# Altium PCB Luchador Pcb.PcbDoc (part 3 of 4) (continued)
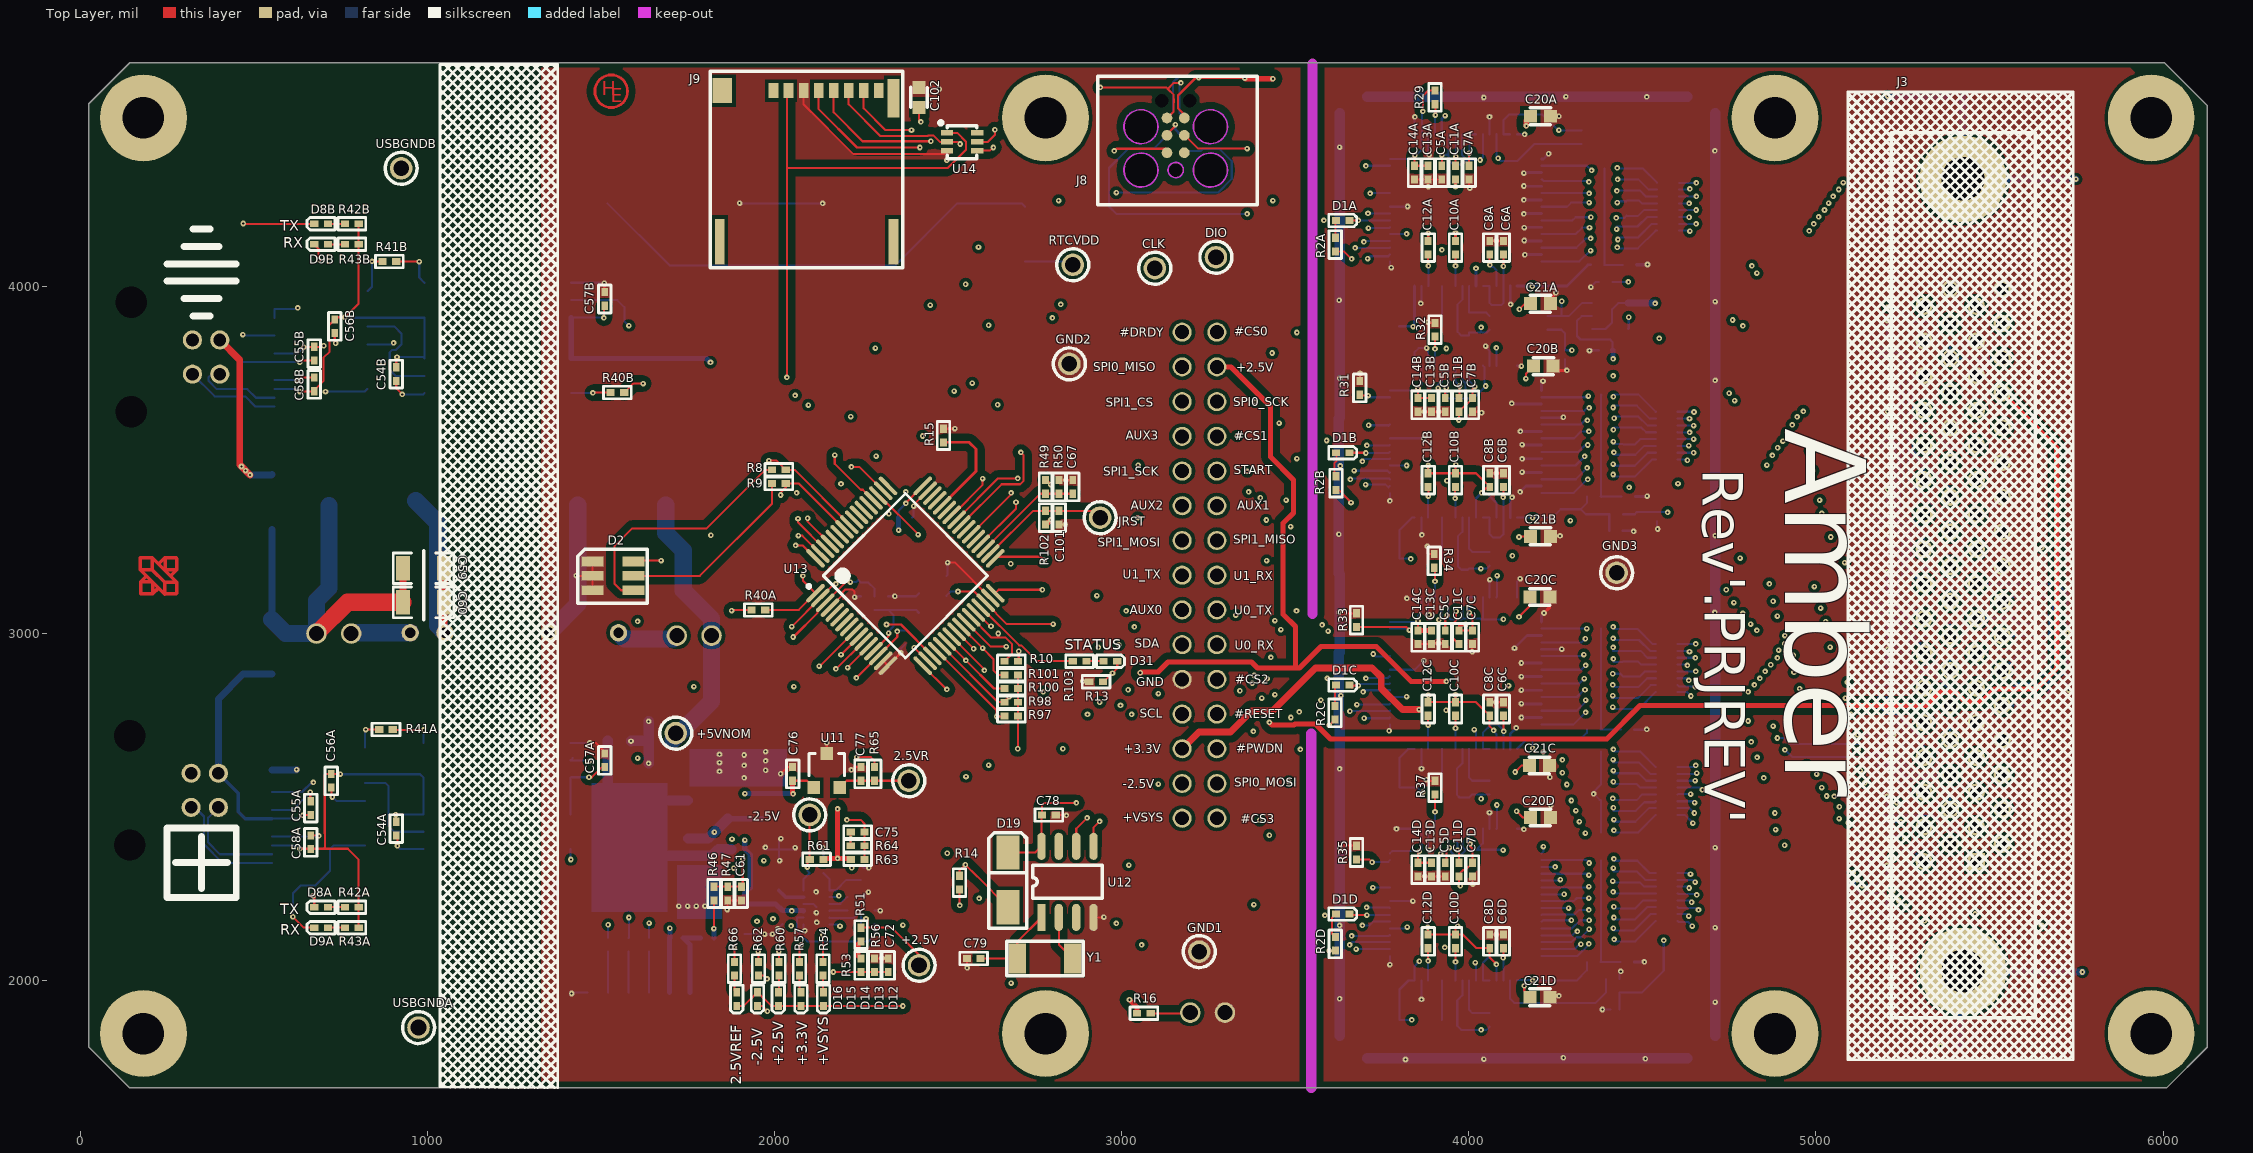
[diagram p0: Top Layer view]
## Nets (pads, with @x,y where several pads share a name; then routed paths per layer and width w, separated by ;. In a path a pad name is that pad's centre, name@x,y a point inside that pad or via, vN(x,y) a via of type N, cw(c..) or ccw(c..) an arc to the next point about the centre after c; other vN are vias at no path point) (continued)
  Bottom Layer w10: R12A.1@4483.37,4062 4514,4062 v1(4515,4063)
  Bottom Layer w30: v1(1587,2690) 1588,2691 C18.2@1638.06,2691 ; v1(1638,2626) 1638.06,2626.06 C18.2@1638.06,2691 ; v1(1638,2747) 1638.06,2746.94 C18.2@1638.06,2691 ; RFS1.M@3628.04,1841.3 v1(3628.04,1948) RFS1.M@3628.04,2046.3 RFS1.M@3628.04,2046.3 v1(3628,2159) RFS1.M@3628.04,2271.3 RFS1.M@3628.04,2271.3 v1(3628.04,2382) RFS1.M@3628.04,2496.3 RFS1.M@3628.04,2721.3 3628.04,2761.95 3626,2763.99 3626,2944.26 RFS1.M@3628.04,2946.3 RFS1.M@3628.04,3171.3 3626,3173.34 v1(3626,3286) 3626,3394.26 RFS1.M@3628.04,3396.3 3626,3398.34 3626,3619.26 RFS1.M@3628.04,3621.3 v1(3628.04,3735) RFS1.M@3628.04,3846.3 RFS1.M@3628.04,4071.3 RFS1.M@3628.04,4296.3 v1(3628.04,4401) RFS1.M@3628.04,4498.3 ; RFS1.M@3708.04,1776.3 RFS1.M@3930.04,1776.3 RFS1.M@4158.04,1776.3 RFS1.M@4387.04,1776.3 RFS1.M@4630.04,1776.3 ; RFS1.M@3708.04,4546.3 RFS1.M@3929.04,4546.3 RFS1.M@4158.04,4546.3 v1(4280,4546.3) RFS1.M@4387.04,4546.3 RFS1.M@4630.04,4546.3 ; RFS1.M@4710.04,1841.3 RFS1.M@4710.04,2046.3 v1(4710.04,2153) RFS1.M@4710.04,2271.3 RFS1.M@4710.04,2496.3 RFS1.M@4710.04,2721.3 RFS1.M@4710.04,2946.3 RFS1.M@4710.04,3171.3 v1(4710.04,3282) RFS1.M@4710.04,3396.3 RFS1.M@4710.04,3621.3 v1(4710.04,3729) RFS1.M@4710.04,3846.3 v1(4710.04,3956) RFS1.M@4710.04,4071.3 RFS1.M@4710.04,4296.3 RFS1.M@4710.04,4498.3
  Bottom Layer w50: PS1.5@1351,3002 1434,3085 C16.2@1434,3370
  other v1: 3818,1773 4044,1774 4509,1775 4273,1778 4710,1938 2122,2168 2121,2196 1725,2215 1750,2215 1775,2215 1800,2215 2120,2256 4710,2383 1913,2584 1842,2603 1975,2606 3628,2610 1913,2620 1842,2628 1975,2633 1913,2650 1842,2652 1975,2660 3632,2821 4709,3061 3630,3483 3627,3960 4709,4390 4044,4544 4513,4546
I2C.SCL: J3.33 J7.24 R97.1 U12.6 U13.20 | length 5067.8
  Top Layer w6: U13.20@2469.23,2949.24 2640,2778.47 v1(2640,2761) 2652.63,2761 2658.63,2767 R97.1@2662.8,2762.83 ; U12.6@2869.49,2387.13 2869.49,2437.49 v1(2901,2469)
  SL1(H) w6: v1(2640,2761) 2896,2761 v1(2902,2767) 2966,2767 2966.95,2767.95 J7.24@3174.61,2767.95 ; v1(3037,3019) 3039.55,3016.45 3294.7,3016.45 3351.15,2960 3476.06,2960 3482.17,2953.89 3680.8,2953.89 3697.91,2971 3858.94,2971 3881.94,2994 4264.97,2994 4339.97,3069 4429,3069 4471,3027 v1(4812,3027) ; v1(4816,4059) 4817,4060 5259,4060 5376.24,3942.76 J3.33@5462.01,3942.76
  SL2(V) w6: v1(2901,2469) 2901,2766 v1(2902,2767) ; v1(3029,2767) 3037,2775 v1(3037,3019) ; v1(4812,3027) 4813,3028 4813,4056 v1(4816,4059)
I2C.SDA: J3.67 J7.20 R98.1 U12.5 U13.21 | length 4728.2
  Top Layer w6: U13.21@2483.15,2963.15 2644.1,2802.2 R98.1@2662.8,2802.2 2662.8,2804.17 v1(2676.35,2817.73) ; U12.5@2919.49,2387.13 2919.49,2441.49 v1(2937,2459)
  SL1(H) w6: v1(2676.35,2817.73) 2682.48,2823.86 2707.14,2823.86 2729,2802 v1(2937,2802) 2988,2802 v1(2997,2793) ; v1(2992,2967) 3173.65,2967 J7.20@3174.61,2967.95 3211.11,3004.45 3289.72,3004.45 3346.18,2948 3471.09,2948 3477.2,2941.89 3685.77,2941.89 3701.88,2958 3877.53,2958 3883,2952.53 3920.04,2952.53 3949.51,2982 4274,2982 4349,3057 4419,3057 4467,3009 v1(4830,3009) ; v1(4830,4038) 5216.76,4038 J3.67@5312.01,3942.76 J3.67@5290.24,3942.76
  SL2(V) w6: v1(2937,2459) v1(2937,2802) ; v1@2994,2969 v1(2992,2967) 2996,2963 2996,2794 v1(2997,2793) ; v1(4830,3009) v1(4830,4038)
Net2.5VR_1: 2.5VR.1 C77.1 R65.1 U11.2 | length 207
  Top Layer w6: U11.2@2188.39,2556.14 2208.07,2575.83 C77.1@2249.41,2575.83 R65.1@2288.78,2575.83 2.5VR.1@2387.2,2575.83
Net+2.5V_1: +2.5V.1 C71.1 R51.1 R52.2 U10.11 | length 421
  Top Layer w6: R51.1@2249.41,2152.6 2268,2152.6 ; v1(2264,2178) 2268,2174 2268,2152.6 ; +2.5V.1@2416.73,2044.33 2416.73,2074.27 2338.4,2152.6 2268,2152.6
  Bottom Layer w6: U10.11@2158.86,2181.81 2158.86,2181 2228.6,2181 C71.1@2249.41,2201.81 2249.41,2179 ; R52.2@2249.41,2152.6 2249.41,2179 ; v1(2264,2178) 2250.41,2178 2249.41,2179
Net-2.5V_1: -2.5V.1 C74.2 R59.1 R61.1 U10.6 | length 255.1
  Top Layer w6: v1(2095,2327) 2095,2342.68 R61.1@2101.77,2349.45 -2.5V.1@2101.77,2477.4
  Bottom Layer w6: U10.6@2084.05,2260.55 2084.05,2292.36 R59.1@2101.77,2310.08 2095,2316.85 v1(2095,2327) 2095,2342.68 C74.2@2101.77,2349.45
NetC1A_A1: C1A.A1 R1A.A1 U1A.16 | length 371.6
  SL1(H) w6: v1(4351,4103) 4419,4103 v1(4428,4112)
  Bottom Layer w6: U1A.16@4210.04,4071.89 4318.89,4071.89 4350,4103 v1(4351,4103) ; v1(4428,4112) 4430.71,4109.29 C1A.A1@4454.13,4109.29 4487.29,4109.29 4538.47,4160.47 R1A.A1@4542.72,4160.47
NetC1A_A2: C1A.A2 R1A.A2 U1A.14 | length 367.1
  SL1(H) w6: v1(4351,4138) 4427,4138 v1(4430,4135)
  Bottom Layer w6: U1A.14@4210.04,4111.26 4310.26,4111.26 4337,4138 v1(4351,4138) ; v1(4430,4135) 4430,4140.79 C1A.A2@4454.13,4140.79 4487.79,4140.79 4527.16,4180.16 R1A.A2@4542.72,4180.16
NetC1A_A3: C1A.A3 R1A.A3 U1A.12 | length 360.6
  SL1(H) w6: v1(4348,4169) 4422,4169 v1(4426,4165)
  Bottom Layer w6: U1A.12@4210.04,4150.63 4308.63,4150.63 4327,4169 v1(4348,4169) ; v1(4426,4165) 4426,4172.28 C1A.A3@4454.13,4172.28 4486.28,4172.28 4513.84,4199.84 R1A.A3@4542.72,4199.84
NetC1A_A4: C1A.A4 R1A.A4 U1A.10 | length 347.2
  SL1(H) w6: v1(4352,4199) 4423,4199 v1(4425,4197)
  Bottom Layer w6: U1A.10@4210.04,4190 4299,4190 4308,4199 v1(4352,4199) ; v1(4425,4197) 4447.35,4197 C1A.A4@4454.13,4203.78 4454.91,4203 4488,4203 4504.53,4219.53 R1A.A4@4542.72,4219.53
NetC1A_B1: C1A.B1 C1A.B2 C1A.B3 C1A.B4 C2A.B1 C2A.B2 C2A.B3 C2A.B4 R11A.2 R12A.2 | length 332.1
  Bottom Layer w6: C2A.B4@4391.14,4339.61 C2A.B3@4391.14,4308.11 C2A.B2@4391.14,4276.61 C2A.B1@4391.14,4245.12 C1A.B4@4391.14,4203.78 C1A.B3@4391.14,4172.28 C1A.B2@4391.14,4140.79 C1A.B1@4391.14,4109.29 4391.14,4063.14 R11A.2@4390,4062 R12A.2@4444,4062
NetC1B_A1: C1B.A1 R1B.A1 U1B.16 | length 377.2
  SL1(H) w6: v1(4343,3444) 4402,3444 v1(4416,3458)
  Bottom Layer w6: U1B.16@4210.04,3405.07 4303.07,3405.07 4342,3444 v1(4343,3444) ; v1(4416,3458) 4416,3451.81 C1B.A1@4444.29,3451.81 4478.81,3451.81 4528.02,3501.02 R1B.A1@4538.78,3501.02
NetC1B_A2: C1B.A2 R1B.A2 U1B.14 | length 364.2
  SL1(H) w6: v1(4341,3477) 4342,3477 4353,3488 v1(4416,3488)
  Bottom Layer w6: U1B.14@4210.04,3444.44 4308.44,3444.44 v1(4341,3477) ; v1(4416,3488) 4420.69,3483.31 C1B.A2@4444.29,3483.31 4478.31,3483.31 4515.71,3520.71 R1B.A2@4538.78,3520.71
NetC1B_A3: C1B.A3 R1B.A3 U1B.12 | length 362.4
  SL1(H) w6: v1(4334,3510) 4344,3510 4356,3522 v1(4418,3522)
  Bottom Layer w6: U1B.12@4210.04,3483.81 4307.81,3483.81 v1(4334,3510) ; v1(4418,3522) 4418,3514.8 C1B.A3@4444.29,3514.8 4479.8,3514.8 4505.39,3540.39 R1B.A3@4538.78,3540.39
NetC1B_A4: C1B.A4 R1B.A4 U1B.10 | length 354.6
  SL1(H) w6: v1(4343,3543) 4345,3543 4355,3553 v1(4417,3553)
  Bottom Layer w6: U1B.10@4210.04,3523.18 4316.18,3523.18 4336,3543 v1(4343,3543) ; v1(4417,3553) 4417,3546.3 C1B.A4@4444.29,3546.3 4445.59,3545 4479,3545 4494.08,3560.08 R1B.A4@4538.78,3560.08
NetC1B_B1: C1B.B1 C1B.B2 C1B.B3 C1B.B4 C2B.B1 C2B.B2 C2B.B3 C2B.B4 R11B.2 R12B.2 | length 358
  Bottom Layer w6: R11B.2@4382,3393 R11B.2@4380,3395 ; C2B.B4@4382,3687.33 C2B.B4@4381.3,3688.03 C2B.B3@4381.3,3656.54 C2B.B2@4381.3,3625.04 C2B.B1@4381.3,3593.54 C1B.B4@4381.3,3546.3 C1B.B3@4381.3,3514.8 C1B.B2@4381.3,3483.31 C1B.B1@4381.3,3451.81 4381.3,3396.3 R11B.2@4380,3395 ; R12B.2@4440.63,3395 R11B.2@4380,3395
NetC1C_A1: C1C.A1 R1C.A1 U1C.16 | length 376.3
  SL1(H) w6: v1(4337,2773) 4400,2773 v1(4415,2788)
  Bottom Layer w6: U1C.16@4210.04,2738.24 4302.24,2738.24 v1(4337,2773) ; v1(4415,2788) 4415,2784 4414,2783 4414.48,2782.52 C1C.A1@4444.29,2782.52 4489.57,2782.52 R1C.A1@4538.78,2831.73
NetC1C_A2: C1C.A2 R1C.A2 U1C.14 | length 372.1
  SL1(H) w6: v1(4337,2808) 4402,2808 v1(4415,2821)
  Bottom Layer w6: U1C.14@4210.04,2777.61 4311.61,2777.61 4337,2803 v1(4337,2808) ; v1(4415,2821) 4415,2814.02 C1C.A2@4444.29,2814.02 4487.02,2814.02 4524.42,2851.42 R1C.A2@4538.78,2851.42
NetC1C_A3: C1C.A3 R1C.A3 U1C.12 | length 356.5
  SL1(H) w6: v1(4335,2838) 4350,2838 4364,2852 v1(4415,2852)
  Bottom Layer w6: U1C.12@4210.04,2816.98 4311.98,2816.98 4333,2838 v1(4335,2838) ; v1(4415,2852) 4421.49,2845.51 C1C.A3@4444.29,2845.51 4488.51,2845.51 4514.1,2871.1 R1C.A3@4538.78,2871.1
NetC1C_A4: C1C.A4 R1C.A4 U1C.10 | length 349.6
  SL1(H) w6: v1(4333,2870) 4346,2870 4360,2884 v1(4415,2884)
  Bottom Layer w6: U1C.10@4210.04,2856.35 4319.35,2856.35 v1(4333,2870) ; v1(4415,2884) 4437.28,2884 C1C.A4@4444.29,2877.01 ; C1C.A4@4444.29,2877.01 4445.3,2876 4493,2876 4507.79,2890.79 R1C.A4@4538.78,2890.79
NetC1C_B1: C1C.B1 C1C.B2 C1C.B3 C1C.B4 C2C.B1 C2C.B2 C2C.B3 C2C.B4 R11C.2 R12C.2 | length 349
  Bottom Layer w6: C2C.B3@4381,2982.5 C2C.B4@4381,3014 ; C2C.B3@4381.3,2981.34 C1C.B4@4381.3,2877.01 C1C.B3@4381.3,2845.51 C1C.B2@4381.3,2814.02 C1C.B1@4381.3,2782.52 4381.3,2724.3 R11C.2@4380,2723 R12C.2@4438.63,2723
NetC1D_A1: C1D.A1 R1D.A1 U1D.16 | length 379.7
  SL1(H) w6: v1(4346,2106) 4359,2119 v1(4419,2119)
  Bottom Layer w6: U1D.16@4210.04,2071.42 4313.46,2071.42 4346,2103.96 v1(4346,2106) ; v1(4419,2119) 4419,2113.46 4419.23,2113.23 C1D.A1@4444.29,2113.23 4479.72,2113.23 R1D.A1@4538.78,2172.28
NetC1D_A2: C1D.A2 R1D.A2 U1D.14 | length 371.2
  SL1(H) w6: v1(4347,2148) 4414,2148 v1(4417,2151)
  Bottom Layer w6: U1D.14@4210.04,2110.79 4295.79,2110.79 4310,2125 4324,2125 v1(4347,2148) ; v1(4417,2151) 4417,2144.72 C1D.A2@4444.29,2144.72 4477.72,2144.72 4524.97,2191.97 R1D.A2@4538.78,2191.97
NetC1D_A3: C1D.A3 R1D.A3 U1D.12 | length 362.4
  SL1(H) w6: v1(4347,2174) 4410,2174 v1(4418,2182)
  Bottom Layer w6: U1D.12@4210.04,2150.16 4297.12,2150.16 4320.96,2174 v1(4347,2174) ; v1(4418,2182) 4418,2176.22 C1D.A3@4444.29,2176.22 4478.22,2176.22 4513.65,2211.65 R1D.A3@4538.78,2211.65
NetC1D_A4: C1D.A4 R1D.A4 U1D.10 | length 354.4
  SL1(H) w6: v1(4346,2204) 4401,2204 4402,2203 4412,2213 v1(4418,2213)
  Bottom Layer w6: U1D.10@4210.04,2189.53 4211.51,2191 4305,2191 4318,2204 v1(4346,2204) ; v1(4418,2213) 4418,2207.72 C1D.A4@4444.29,2207.72 4479.72,2207.72 4503.34,2231.34 R1D.A4@4538.78,2231.34
NetC1D_B1: C1D.B1 C1D.B2 C1D.B3 C1D.B4 C2D.B1 C2D.B2 C2D.B3 C2D.B4 R11D.2 R12D.2 | length 349.7
  Bottom Layer w6: C2D.B4@4381.3,2345.51 C2D.B3@4381.3,2314.02 C2D.B2@4381.3,2282.52 C2D.B1@4381.3,2251.02 C1D.B4@4381.3,2207.72 C1D.B3@4381.3,2176.22 C1D.B2@4381.3,2144.72 C1D.B1@4381.3,2113.23 4381.3,2055.3 R11D.2@4380,2054 R12D.2@4437.63,2054
NetC2A_A1: C2A.A1 R1A.A5 U1A.8 | length 345.6
  SL1(H) w6: v1(4347,4241) v1(4428,4241)
  Bottom Layer w6: U1A.8@4210.04,4229.37 4283.37,4229.37 4295,4241 v1(4347,4241) ; v1(4428,4241) 4428,4245.12 C2A.A1@4454.13,4245.12 4456.02,4247 4491,4247 4498.79,4239.21 R1A.A5@4542.72,4239.21
NetC2A_A2: C2A.A2 R1A.A6 U1A.6 | length 343.9
  SL1(H) w6: v1(4347,4268) 4420,4268 v1(4427,4275)
  Bottom Layer w6: U1A.6@4210.04,4268.74 4346.26,4268.74 v1(4347,4268) ; v1(4427,4275) 4428.61,4276.61 C2A.A2@4454.13,4276.61 4492.39,4276.61 4510.1,4258.9 R1A.A6@4542.72,4258.9
NetC2A_A3: C2A.A3 R1A.A7 U1A.4 | length 351.5
  SL1(H) w6: v1(4346,4301) 4422,4301 v1(4429,4308)
  Bottom Layer w6: U1A.4@4210.04,4308.11 4210.93,4309 4216.6,4303.33 4343.67,4303.33 v1(4346,4301) ; v1(4429,4308) 4429.11,4308.11 C2A.A3@4454.13,4308.11 4488.89,4308.11 4518.42,4278.58 R1A.A7@4542.72,4278.58
NetC2A_A4: C2A.A4 R1A.A8 U1A.2 | length 358.9
  SL1(H) w6: v1(4354,4334) 4361,4341 v1(4428,4341)
  Bottom Layer w6: U1A.2@4210.04,4347.48 4340.52,4347.48 v1(4354,4334) ; v1(4428,4341) 4429.39,4339.61 C2A.A4@4454.13,4339.61 4501.38,4339.61 R1A.A8@4542.72,4298.27
NetC2B_A1: C2B.A1 R1B.A5 U1B.8 | length 351.1
  SL1(H) w6: v1(4346,3582) 4412,3582 v1(4417,3587)
  Bottom Layer w6: U1B.8@4210.04,3562.55 4303.55,3562.55 4323,3582 v1(4346,3582) ; v1(4417,3587) 4417,3593.54 C2B.A1@4444.29,3593.54 4497.46,3593.54 4511.24,3579.76 R1B.A5@4538.78,3579.76
NetC2B_A2: C2B.A2 R1B.A6 U1B.6 | length 351.9
  SL1(H) w6: v1(4342,3614) 4413,3614 v1(4419,3620)
  Bottom Layer w6: U1B.6@4210.04,3601.92 4322.92,3601.92 4335,3614 v1(4342,3614) ; v1(4419,3620) 4419,3625.04 C2B.A2@4444.29,3625.04 4488.96,3625.04 4514.55,3599.45 R1B.A6@4538.78,3599.45
NetC2B_A3: C2B.A3 R1B.A7 U1B.4 | length 350.5
  SL1(H) w6: v1(4347,3650) 4415,3650 v1(4416,3651)
  Bottom Layer w6: U1B.4@4210.04,3641.29 4333.29,3641.29 4342,3650 v1(4347,3650) ; v1(4416,3651) 4421.54,3656.54 C2B.A3@4444.29,3656.54 4484.46,3656.54 4521.87,3619.13 R1B.A7@4538.78,3619.13
NetC2B_A4: C2B.A4 R1B.A8 U1B.2 | length 357.4
  SL1(H) w6: v1(4345,3684) 4415,3684 v1(4417,3682)
  Bottom Layer w6: U1B.2@4210.04,3680.66 4341.66,3680.66 v1(4345,3684) ; v1(4417,3682) 4417,3688.03 C2B.A4@4444.29,3688.03 4489.57,3688.03 R1B.A8@4538.78,3638.82
NetC2C_A1: C2C.A1 R1C.A5 U1C.8 | length 354.2
  SL1(H) w6: v1(4337,2908) 4350,2908 4369,2927 v1(4417,2927)
  Bottom Layer w6: U1C.8@4210.04,2895.72 4324.72,2895.72 v1(4337,2908) ; v1(4417,2927) 4417,2918.35 4444.29,2918.35 4444.94,2919 4488,2919 4496.53,2910.47 R1C.A5@4538.78,2910.47
NetC2C_A2: C2C.A2 R1C.A6 U1C.6 | length 357.4
  SL1(H) w6: v1(4332,2939) 4348,2939 4369,2960 v1(4416,2960)
  Bottom Layer w6: U1C.6@4210.04,2935.09 4328.09,2935.09 v1(4332,2939) ; v1(4416,2960) 4416,2949.84 4495.16,2949.84 4514.84,2930.16 R1C.A6@4538.78,2930.16
NetC2C_A3: C2C.A3 R1C.A7 U1C.4 | length 348.5
  SL1(H) w6: v1(4336,2985) 4415,2985 v1(4416,2986)
  Bottom Layer w6: U1C.4@4210.04,2974.46 4325.46,2974.46 v1(4336,2985) ; v1(4416,2986) 4420.66,2981.34 4490.66,2981.34 4522.16,2949.84 R1C.A7@4538.78,2949.84
NetC2C_A4: C2C.A4 R1C.A8 U1C.2 | length 355
  SL1(H) w6: v1(4340,3014) 4411,3014 v1(4416,3019)
  Bottom Layer w6: U1C.2@4210.04,3013.83 4339.83,3013.83 v1(4340,3014) ; v1(4416,3019) 4416,3012.83 4487.17,3012.83 4530.47,2969.53 R1C.A8@4538.78,2969.53
NetC2D_A1: C2D.A1 R1D.A5 U1D.8 | length 356.9
  SL1(H) w6: 4338,2236 v1@4340,2238 ; v1(4346,2238) v1@4340,2238 ; v1(4416,2256) 4358,2256 v1@4340,2238
  Bottom Layer w6: U1D.8@4210.04,2228.9 4302.9,2228.9 4312,2238 v1(4346,2238) ; v1(4416,2256) 4420.98,2251.02 C2D.A1@4444.29,2251.02 R1D.A5@4538.78,2251.02
NetC2D_A2: C2D.A2 R1D.A6 U1D.6 | length 343.6
  SL1(H) w6: v1(4346,2271) 4399,2271 v1(4415,2287)
  Bottom Layer w6: U1D.6@4210.04,2268.27 4343.27,2268.27 v1(4346,2271) ; v1(4415,2287) 4419.48,2282.52 C2D.A2@4444.29,2282.52 4444.77,2283 4493,2283 4505.29,2270.71 R1D.A6@4538.78,2270.71
NetC2D_A3: C2D.A3 R1D.A7 U1D.4 | length 358.6
  SL1(H) w6: v1(4346,2304) 4366,2324 v1(4417,2324)
  Bottom Layer w6: U1D.4@4210.04,2307.64 4210.4,2308 4342,2308 v1(4346,2304) ; v1(4417,2324) 4417,2314.02 C2D.A3@4444.29,2314.02 4484.98,2314.02 4508.61,2290.39 R1D.A7@4538.78,2290.39
NetC2D_A4: C2D.A4 R1D.A8 U1D.2 | length 357.2
  SL1(H) w6: v1(4347,2339) 4359,2351 v1(4418,2351)
  Bottom Layer w6: U1D.2@4210.04,2347.01 4338.99,2347.01 v1(4347,2339) ; v1(4418,2351) 4418,2345.51 C2D.A4@4444.29,2345.51 4485.49,2345.51 4520.92,2310.08 R1D.A8@4538.78,2310.08
NetC3A_1: C3A.1 C4A.1 U1A.24 | length 139.9
  Bottom Layer w6: U1A.24@4001.38,4001.02 C3A.1@4001.38,3924.25 4050.59,3924.25 C4A.1@4060.43,3914.41
NetC3B_1: C3B.1 C4B.1 U1B.24 | length 152.8
  Bottom Layer w6: U1B.24@4001.38,3334.2 C3B.1@4001.38,3244.13 4010.24,3235.28 C4B.1@4060.43,3235.28
NetC3C_1: C3C.1 C4C.1 U1C.24 | length 145.4
  Bottom Layer w6: U1C.24@4001.38,2667.38 C3C.1@4001.38,2584.69 4010.24,2575.83 C4C.1@4060.43,2575.83
NetC3D_1: C3D.1 C4D.1 U1D.24 | length 147.9
  Bottom Layer w6: U1D.24@4001.38,2000.55 C3D.1@4001.38,1915.39 4010.24,1906.54 C4D.1@4060.43,1906.54
NetC9A_1: C9A.1 U1A.28 | length 116.1
  Bottom Layer w6: C9A.1@3922.64,3884.88 U1A.28@3922.64,4001.02
NetC9B_1: C9B.1 U1B.28 | length 118.6
  Bottom Layer w6: C9B.1@3922.64,3215.59 U1B.28@3922.64,3334.2
NetC9C_1: C9C.1 U1C.28 | length 111.2
  Bottom Layer w6: C9C.1@3922.64,2556.14 U1C.28@3922.64,2667.38
NetC9D_1: C9D.1 U1D.28 | length 113.7
  Bottom Layer w6: C9D.1@3922.64,1886.85 U1D.28@3922.64,2000.55
NetC10A_1: C10A.1 U1A.26 | length 90.6
  Top Layer w6: v1(3962,4059) C10A.1@3962.01,4091.57
  Bottom Layer w6: U1A.26@3962.01,4001.02 v1(3962,4059)
NetC10B_1: C10B.1 U1B.26 | length 88.9
  Top Layer w6: v1(3961,3389) 3961,3421.28 C10B.1@3962.01,3422.28
  Bottom Layer w6: v1(3961,3389) 3962.01,3387.99 U1B.26@3962.01,3334.2
NetC10C_1: C10C.1 U1C.26 | length 95.5
  Top Layer w6: v1(3962,2727) C10C.1@3962.01,2762.83
  Bottom Layer w6: U1C.26@3962.01,2667.38 v1(3962,2727)
NetC10D_1: C10D.1 U1D.26 | length 93
  Top Layer w6: v1(3962,2054) C10D.1@3962.01,2093.54
  Bottom Layer w6: U1D.26@3962.01,2000.55 v1(3962,2054)
NetC11A_1: C11A.1 U1A.55 | length 91.4
  Top Layer w6: C11A.1@3962.01,4347.48 3962.01,4373.01 v1(3963,4374)
  Bottom Layer w6: U1A.55@3962.01,4438.03 3963,4437.04 v1(3963,4374)
NetC11B_1: C11B.1 U1B.55 | length 98.9
  Top Layer w6: C11B.1@3971.85,3678.19 3974,3680.34 v1(3974,3713)
  Bottom Layer w6: U1B.55@3962.01,3771.21 3962,3725 v1(3974,3713)
NetC11C_1: C11C.1 U1C.55 | length 108.2
  Top Layer w6: v1(3964,3064) 3964,3037.79 3951.32,3025.11 3951.32,2990.06 C11C.1@3971.85,2969.53
NetC11D_1: C11D.1 U1D.55 | length 66.5
  Top Layer w6: v1(3968,2375.96) 3971.85,2372.11 C11D.1@3971.85,2339.61
  Bottom Layer w6: 3962,2402 3968,2396 v1(3968,2375.96)
NetC12A_1: C12A.1 U1A.30 | length 91.2
  Top Layer w6: C12A.1@3883.27,4091.57 3883.27,4059.73 v1(3884,4059)
  Bottom Layer w6: U1A.30@3883.27,4001.02 3884,4001.76 v1(3884,4059)
NetC12B_1: C12B.1 U1B.30 | length 88.7
  Top Layer w6: C12B.1@3883.27,3422.28 3884,3421.55 v1(3884,3396)
  Bottom Layer w6: U1B.30@3883.27,3334.2 3883.27,3395.27 v1(3884,3396)
NetC12C_1: C12C.1 U1C.30 | length 95.7
  Top Layer w6: v1(3883,2736) 3883.27,2736.27 C12C.1@3883.27,2762.83
  Bottom Layer w6: v1(3883,2736) 3883,2667.64 U1C.30@3883.27,2667.38
NetC12D_1: C12D.1 U1D.30 | length 93.2
  Top Layer w6: v1(3883,2057) 3883,2093.28 C12D.1@3883.27,2093.54
  Bottom Layer w6: v1(3883,2057) 3883.27,2056.73 U1D.30@3883.27,2000.55
NetC15_2: C15.2 R11A.1 R11B.1 R11C.1 R11D.1 R36.1 U1A.17 U1B.17 U1C.17 U1D.17 | length 3104.9
  SL2(V) w6: v1(4183,4000) 4184,3999 v1(4184,3333) v1(4184,2670) v1(4184,2000.55)
  Bottom Layer w6: U1D.17@4139.17,2000.55 4140.62,2002 4182.55,2002 v1(4184,2000.55) 4311.55,2000.55 4340.63,2029.63 R11D.1@4340.63,2054 ; U1C.17@4139.17,2667.38 4166.8,2695 4182,2695 ; U1B.17@4139.17,3334.2 4241.2,3334.2 4265,3358 4323,3358 ; v1(4184,2670) 4184,2693 4182,2695 ; R11C.1@4340.63,2723 4340.63,2713.63 4322,2695 4182,2695 ; R11B.1@4340.63,3395 4340.63,3375.63 4323,3358 ; C15.2@4405,3296 4404.92,3296.08 R36.1@4404.92,3343.54 4337.46,3343.54 4323,3358
  Bottom Layer w8: U1A.17@4139.17,4001.02 4283.02,4001.02 4344,4062 R11A.1@4350.63,4062
NetC17_1: C17.1 C59.1 C60.1 D10.2 D11.2 JP1.1 | length 1172.8
  Top Layer w20: C60.1@930.32,3089.6 C59.1@930.32,3188.02
  Top Layer w50: JP1.1@681,3000 770.6,3089.6 C60.1@930.32,3089.6
  Bottom Layer w20: D11.2@552.56,3040.39 D10.2@552.56,3300.24
  Bottom Layer w50: D11.2@552.56,3040.39 592.95,3000 JP1.1@681,3000 681,3095 717,3131 C17.1@717,3368
NetC18_1: C18.1 C19.1 R48.1 U4.2 U4.4 | length 481.7
  Bottom Layer w30: C18.1@1519.94,2691 1519.94,2507.85 U4.4@1527.8,2500 ; 1670,2360 1820,2360 1838.98,2378.98 R48.1@1875.39,2378.98 ; 1677,2519 U4.2@1751.2,2519
NetC48_2: C48.2 C50.2 R28.1 R30.2 U1A.62 U1A.63 U5.3 | length 991.5
  SL2(V) w6: v1(4260,4450) 4268,4442 v1(4268,3957)
  Bottom Layer w6: U1A.63@4119.49,4438.03 U1A.62@4099.8,4438.03 4099.8,4477.8 4117,4495 4212,4495 v1@4257.63,4449.37 ; C48.2@4227.76,3914.41 R28.1@4267.13,3914.41 ; v1@4260,4449.37 R30.2@4287,4449.37 4324.63,4449.37 C50.2@4325,4449 ; v1(4268,3957) 4267.13,3956.13 R28.1@4267.13,3914.41 ; U5.3@4355.71,3951.81 4325.81,3951.81 4288,3914 4267.54,3914 R28.1@4267.13,3914.41
NetC50_1: C50.1 R30.1 U1A.61 U1B.61 U1C.61 U1D.61 | length 2444.2
  SL2(V) w6: v1(4081,2506) 4081,2572.04 4118,2609.04 4118,2791 4082,2827 v1(4082,3167) 4079,3170 4079,3385 4058,3406 4058,3496 4080,3518 v1(4080,3823) 4083,3826 4083,4085 4063,4105 4063,4347 v1(4085,4369)
  Bottom Layer w6: v1(4080,3823) 4080.12,3822.88 U1B.61@4080.12,3771.21 ; U1D.61@4080.12,2437.56 4081,2438.44 v1(4081,2506) ; U1C.61@4080.12,3104.38 4082,3106.27 v1(4082,3167) ; v1@4080.12,4372.88 U1A.61@4080.12,4438.03 ; v1@4084.5,4368.5 4092,4361 4140,4361 4189,4410 R30.1@4287,4410 4324.63,4410 C50.1@4325,4409.63
NetC51_A1: C51.A1 R38.A5 U1D.7 | length 657.1
  SL1(H) w6: v1(4283,2565) 4291,2573 v1(4417,2573)
  SL2(V) w6: v1(4275,2249) 4281,2255 4281,2438.02 4278,2441.02 4278,2560 v1(4283,2565)
  Bottom Layer w6: U1D.7@4210.04,2248.58 4274.58,2248.58 v1(4275,2249) ; v1(4417,2573) 4417,2565.98 C51.A1@4444.29,2565.98 4485,2566 4494.86,2556.14 R38.A5@4538.78,2556.14
NetC51_A2: C51.A2 R38.A6 U1D.5 | length 653.5
  SL1(H) w6: v1(4270,2599) 4411,2599 v1(4417,2605)
  SL2(V) w6: v1(4264,2291) 4266,2293 4266,2595 v1(4270,2599)
  Bottom Layer w6: U1D.5@4210.04,2287.95 4260.95,2287.95 v1(4264,2291) ; v1(4417,2605) 4417,2597.48 C51.A2@4444.29,2597.48 4489.52,2597.48 4511.17,2575.83 R38.A6@4538.78,2575.83
NetC51_A3: C51.A3 R38.A7 U1D.3 | length 647.4
  SL1(H) w6: v1(4270,2636) 4415,2636 v1(4416,2637)
  SL2(V) w6: v1(4249,2328) 4253,2332 4253,2619 v1(4270,2636)
  Bottom Layer w6: U1D.3@4210.04,2327.32 4249,2327.32 v1(4249,2328) ; v1(4416,2637) 4416,2629 C51.A3@4444.29,2628.98 4490.02,2628.98 4523.49,2595.51 R38.A7@4538.78,2595.51
NetC51_A4: C51.A4 R38.A8 U1D.1 | length 645.9
  SL1(H) w6: v1(4215,2660) 4221,2666 v1(4417,2666)
  SL2(V) w6: v1(4215,2386) v1(4215,2660)
  Bottom Layer w6: U1D.1@4210.04,2366.69 4215,2371.65 v1(4215,2386) ; v1(4417,2666) 4417,2660.47 C51.A4@4444.29,2660.47 4493.5,2660.47 R38.A8@4538.78,2615.2
NetC52_A1: C52.A1 R38.A1 U1D.15 | length 679
  SL1(H) w6: v1(4336,2425) 4344,2433 v1(4418,2433)
  SL2(V) w6: v1(4323,2105) 4323,2123 4330,2130 4330,2187.96 4329,2188.96 4329,2418 v1(4336,2425)
  Bottom Layer w6: U1D.15@4210.04,2091.1 4305.1,2091.1 4319,2105 v1(4323,2105) ; v1(4418,2433) 4418,2426.22 C52.A1@4444.29,2426.22 4487.6,2426.22 R38.A1@4538.78,2477.4
NetC52_A2: C52.A2 R38.A2 U1D.13 | length 671.1
  SL1(H) w6: v1(4319,2458) 4325,2464 v1(4418,2464)
  SL2(V) w6: v1(4313,2142) 4317,2146 4317,2456 v1(4319,2458)
  Bottom Layer w6: U1D.13@4210.04,2130.47 4298.5,2130.47 4310.03,2142 v1(4313,2142) ; v1(4418,2464) 4418,2457.72 C52.A2@4444.29,2457.72 4479.72,2457.72 4519.09,2497.09 R38.A2@4538.78,2497.09
NetC52_A3: C52.A3 R38.A3 U1D.11 | length 664.8
  SL1(H) w6: v1(4309,2490) 4317,2498 v1(4417,2498)
  SL2(V) w6: v1(4296,2174) 4305,2183 4305,2447.96 4302,2450.96 4302,2483 v1(4309,2490)
  Bottom Layer w6: U1D.11@4210.04,2169.84 4214.2,2174 v1(4296,2174) ; v1(4417,2498) 4417,2489.21 C52.A3@4444.29,2489.21 4481.21,2489.21 4506,2514 4536.01,2514 R38.A3@4538.78,2516.77
NetC52_A4: C52.A4 R38.A4 U1D.9 | length 648
  SL1(H) w6: v1(4296,2519) 4298,2521 4411,2521 v1(4415,2525)
  SL2(V) w6: v1(4288,2209) 4293,2214 4293,2442.99 4290,2445.99 4290,2513 v1(4296,2519)
  Bottom Layer w6: U1D.9@4210.04,2209.21 4210.25,2209 v1(4288,2209) ; v1(4415,2525) 4419.29,2520.71 C52.A4@4444.29,2520.71 4445,2520 4484,2520 4500.46,2536.46 R38.A4@4538.78,2536.46
NetC53_2: C53.2 R39.1 U1D.18 | length 385
  Bottom Layer w6: U1D.18@4119.49,2000.55 4119.49,1947.51 4131,1936 4365.49,1936 R39.1@4395.08,1965.59 C53.2@4395.08,2004.96